# EAGLE board Mk4 Final Panel 8up 2x4 (EAGLE 9.0.1), part 20 of 23
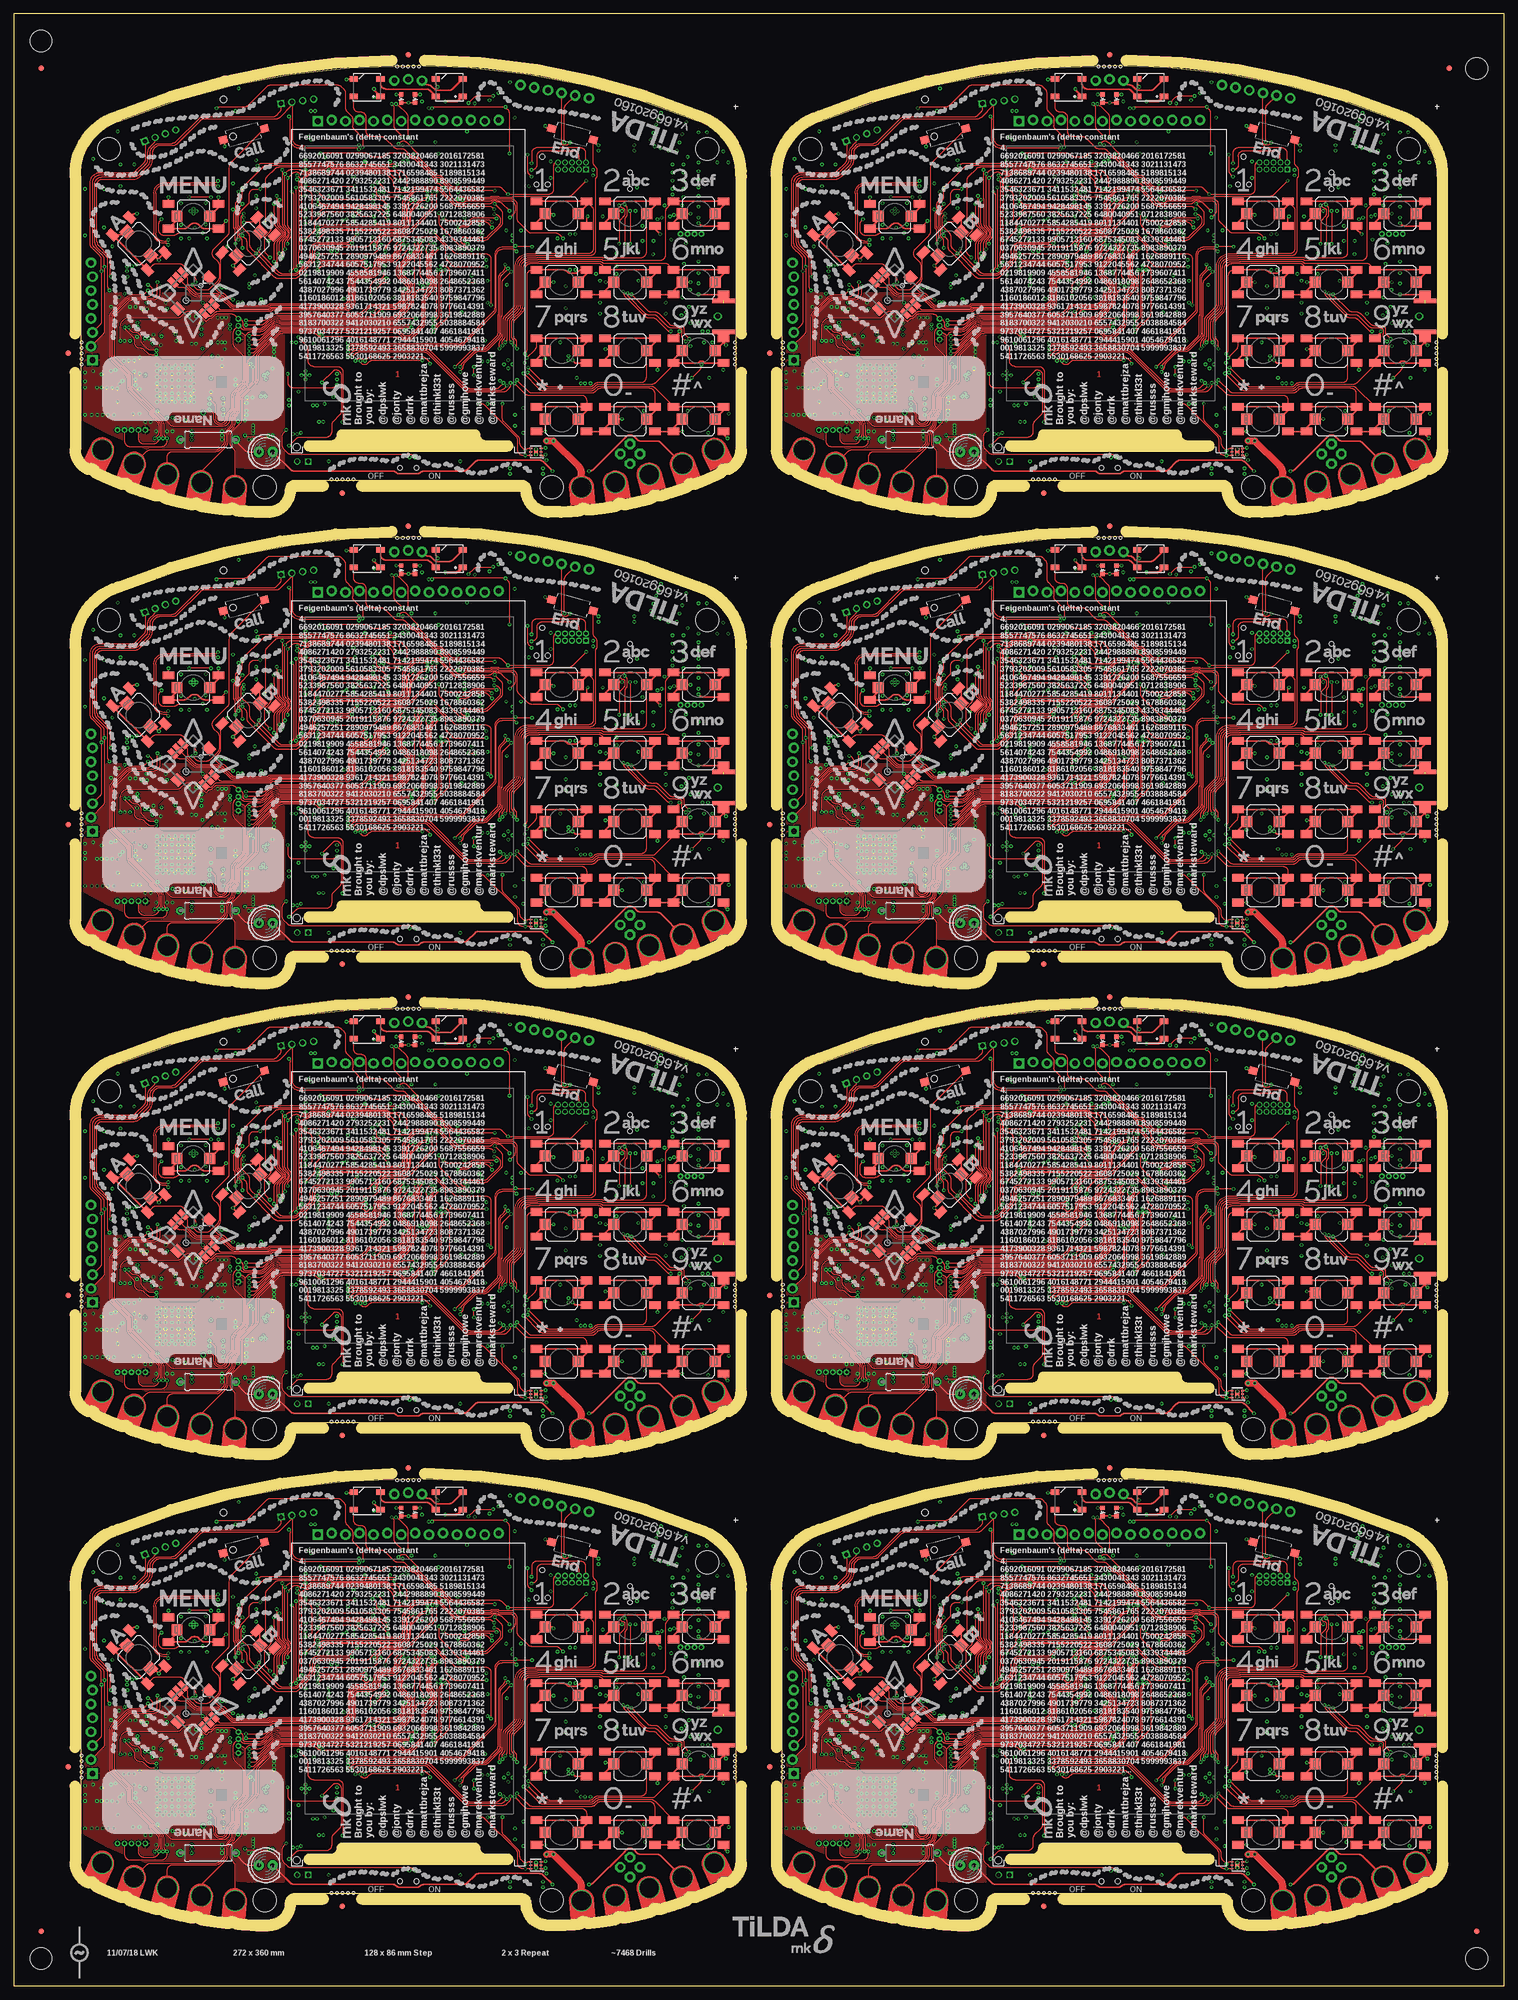
[diagram p0: board, top side]
## Tracks (layer width: path | path; a pad name or v marks a point on that pad's centre or on a via) (continued)
SSI2_CC_MISO1  (via drill 0.3) (continued)
  Top 0.15: v171,40.8 172.08,40.8 175.67,44.39 arc-45 176.9,44.9 200.24,44.9 arc-45 v200.6,44.75 | v206.75,55.24 206.53,55.01 arc-45 206.5,54.96 206.19,54.65 arc45 205.9,53.94 205.9,46.21 arc-45 205.61,45.51 204.9,44.8 v204.6,44.8
  Bottom 0.15: IC29.7 158.25,29 R149.1 158.59,28.75 arc-45 159.29,28.46 160.06,27.69 arc45 161.12,27.25 166.45,27.25 arc90 167.7,28.5 167.7,30.43 arc-45 168.07,31.32 169.49,32.74 arc45 170,33.98 170,39.39 arc-45 170.29,40.09 v171,40.8 | IC20.1 206.2,56.6 206.31,56.49 arc-45 206.6,55.79 206.6,55.6 arc45 v206.75,55.24 | v204.6,44.8 204.55,44.75 v200.6,44.75
SSI2_CC_MISO2  (via drill 0.3)
  Top 0.15: v43,126.8 44.08,126.8 47.67,130.39 arc-45 48.9,130.9 72.24,130.9 arc-45 v72.6,130.75 | v78.75,141.24 78.53,141.01 arc-45 78.5,140.96 78.19,140.65 arc45 77.9,139.94 77.9,132.21 arc-45 77.61,131.51 76.9,130.8 v76.6,130.8
  Bottom 0.15: IC47.7 30.25,115 R227.1 30.59,114.75 arc-45 31.29,114.46 32.06,113.69 arc45 33.12,113.25 38.45,113.25 arc90 39.7,114.5 39.7,116.43 arc-45 40.07,117.32 41.49,118.74 arc45 42,119.97 42,125.39 arc-45 42.29,126.09 v43,126.8 | IC38.1 78.2,142.6 78.31,142.49 arc-45 78.6,141.79 78.6,141.6 arc45 v78.75,141.24 | v76.6,130.8 76.55,130.75 v72.6,130.75
SSI2_CC_MISO3  (via drill 0.3)
  Top 0.15: v171,126.8 172.08,126.8 175.67,130.39 arc-45 176.9,130.9 200.24,130.9 arc-45 v200.6,130.75 | v206.75,141.24 206.53,141.01 arc-45 206.5,140.96 206.19,140.65 arc45 205.9,139.94 205.9,132.21 arc-45 205.61,131.51 204.9,130.8 v204.6,130.8
  Bottom 0.15: IC65.7 158.25,115 R305.1 158.59,114.75 arc-45 159.29,114.46 160.06,113.69 arc45 161.12,113.25 166.45,113.25 arc90 167.7,114.5 167.7,116.43 arc-45 168.07,117.32 169.49,118.74 arc45 170,119.97 170,125.39 arc-45 170.29,126.09 v171,126.8 | IC56.1 206.2,142.6 206.31,142.49 arc-45 206.6,141.79 206.6,141.6 arc45 v206.75,141.24 | v204.6,130.8 204.55,130.75 v200.6,130.75
SSI2_CC_MISO4  (via drill 0.3)
  Top 0.15: v43,212.8 44.08,212.8 47.67,216.39 arc-45 48.9,216.9 72.24,216.9 arc-45 v72.6,216.75 | v78.75,227.24 78.53,227.01 arc-45 78.5,226.96 78.19,226.65 arc45 77.9,225.94 77.9,218.21 arc-45 77.61,217.51 76.9,216.8 v76.6,216.8
  Bottom 0.15: IC83.7 30.25,201 R383.1 30.59,200.75 arc-45 31.29,200.46 32.06,199.69 arc45 33.12,199.25 38.45,199.25 arc90 39.7,200.5 39.7,202.43 arc-45 40.07,203.32 41.49,204.74 arc45 42,205.97 42,211.39 arc-45 42.29,212.09 v43,212.8 | IC74.1 78.2,228.6 78.31,228.49 arc-45 78.6,227.79 78.6,227.6 arc45 v78.75,227.24 | v76.6,216.8 76.55,216.75 v72.6,216.75
SSI2_CC_MISO5  (via drill 0.3)
  Top 0.15: v171,212.8 172.08,212.8 175.67,216.39 arc-45 176.9,216.9 200.24,216.9 arc-45 v200.6,216.75 | v206.75,227.24 206.53,227.01 arc-45 206.5,226.96 206.19,226.65 arc45 205.9,225.94 205.9,218.21 arc-45 205.61,217.51 204.9,216.8 v204.6,216.8
  Bottom 0.15: IC101.7 158.25,201 R461.1 158.59,200.75 arc-45 159.29,200.46 160.06,199.69 arc45 161.12,199.25 166.45,199.25 arc90 167.7,200.5 167.7,202.43 arc-45 168.07,203.32 169.49,204.74 arc45 170,205.97 170,211.39 arc-45 170.29,212.09 v171,212.8 | IC92.1 206.2,228.6 206.31,228.49 arc-45 206.6,227.79 206.6,227.6 arc45 v206.75,227.24 | v204.6,216.8 204.55,216.75 v200.6,216.75
SSI2_CC_MISO6  (via drill 0.3)
  Top 0.15: v43,298.8 44.08,298.8 47.67,302.39 arc-45 48.9,302.9 72.24,302.9 arc-45 v72.6,302.75 | v78.75,313.24 78.53,313.01 arc-45 78.5,312.96 78.19,312.65 arc45 77.9,311.94 77.9,304.21 arc-45 77.61,303.51 76.9,302.8 v76.6,302.8
  Bottom 0.15: IC119.7 30.25,287 R539.1 30.59,286.75 arc-45 31.29,286.46 32.06,285.69 arc45 33.12,285.25 38.45,285.25 arc90 39.7,286.5 39.7,288.43 arc-45 40.07,289.32 41.49,290.74 arc45 42,291.98 42,297.39 arc-45 42.29,298.09 v43,298.8 | IC110.1 78.2,314.6 78.31,314.49 arc-45 78.6,313.79 78.6,313.6 arc45 v78.75,313.24 | v76.6,302.8 76.55,302.75 v72.6,302.75
SSI2_CC_MISO7  (via drill 0.3)
  Top 0.15: v171,298.8 172.08,298.8 175.67,302.39 arc-45 176.9,302.9 200.24,302.9 arc-45 v200.6,302.75 | v206.75,313.24 206.53,313.01 arc-45 206.5,312.96 206.19,312.65 arc45 205.9,311.94 205.9,304.21 arc-45 205.61,303.51 204.9,302.8 v204.6,302.8
  Bottom 0.15: IC137.7 158.25,287 R617.1 158.59,286.75 arc-45 159.29,286.46 160.06,285.69 arc45 161.12,285.25 166.45,285.25 arc90 167.7,286.5 167.7,288.43 arc-45 168.07,289.32 169.49,290.74 arc45 170,291.98 170,297.39 arc-45 170.29,298.09 v171,298.8 | IC128.1 206.2,314.6 206.31,314.49 arc-45 206.6,313.79 206.6,313.6 arc45 v206.75,313.24 | v204.6,302.8 204.55,302.75 v200.6,302.75
SSI2_CC_MOSI  (via drill 0.3)
  Top 0.15: v43,41.6 44.45,41.6 47.47,44.61 arc-45 48.88,45.2 71.89,45.2 arc45 v72.59,45.49 v72.6,45.5 | v78,56 78.5,56 arc-90 79.5,55 79.5,47.31 arc-45 79.21,46.61 v76.6,44
  Bottom 0.15: IC15.6 30.75,29.91 arc45 31.04,29.21 32.23,28.02 arc45 33.12,27.65 36.75,27.65 36.78,27.62 38.4,27.62 arc90 39.4,28.62 39.4,30.45 arc-45 39.84,31.51 41.26,32.94 arc45 41.7,34 41.7,39.89 arc-45 41.99,40.59 v43,41.6 | IC1.2 77.8,56.48 arc45 v78,56 | v72.6,45.5 arc90 72,44.9 arc90 72.9,44 v76.6,44
SSI2_CC_MOSI1  (via drill 0.3)
  Top 0.15: v171,41.6 172.45,41.6 175.47,44.61 arc-45 176.88,45.2 199.89,45.2 arc45 v200.59,45.49 v200.6,45.5 | v206,56 206.5,56 arc-90 207.5,55 207.5,47.31 arc-45 207.21,46.61 v204.6,44
  Bottom 0.15: IC29.6 158.75,29.91 arc45 159.04,29.21 160.23,28.02 arc45 161.12,27.65 164.75,27.65 164.78,27.62 166.4,27.62 arc90 167.4,28.62 167.4,30.45 arc-45 167.84,31.51 169.26,32.94 arc45 169.7,34 169.7,39.89 arc-45 169.99,40.59 v171,41.6 | IC20.2 205.8,56.48 arc45 v206,56 | v200.6,45.5 arc90 200,44.9 arc90 200.9,44 v204.6,44
SSI2_CC_MOSI2  (via drill 0.3)
  Top 0.15: v43,127.6 44.45,127.6 47.47,130.61 arc-45 48.88,131.2 71.89,131.2 arc45 v72.59,131.49 v72.6,131.5 | v78,142 78.5,142 arc-90 79.5,141 79.5,133.31 arc-45 79.21,132.61 v76.6,130
  Bottom 0.15: IC47.6 30.75,115.91 arc45 31.04,115.21 32.23,114.02 arc45 33.12,113.65 36.75,113.65 36.78,113.62 38.4,113.62 arc90 39.4,114.62 39.4,116.45 arc-45 39.84,117.51 41.26,118.94 arc45 41.7,120 41.7,125.89 arc-45 41.99,126.59 v43,127.6 | IC38.2 77.8,142.48 arc45 v78,142 | v72.6,131.5 arc90 72,130.9 arc90 72.9,130 v76.6,130
SSI2_CC_MOSI3  (via drill 0.3)
  Top 0.15: v171,127.6 172.45,127.6 175.47,130.61 arc-45 176.88,131.2 199.89,131.2 arc45 v200.59,131.49 v200.6,131.5 | v206,142 206.5,142 arc-90 207.5,141 207.5,133.31 arc-45 207.21,132.61 v204.6,130
  Bottom 0.15: IC65.6 158.75,115.91 arc45 159.04,115.21 160.23,114.02 arc45 161.12,113.65 164.75,113.65 164.78,113.62 166.4,113.62 arc90 167.4,114.62 167.4,116.45 arc-45 167.84,117.51 169.26,118.94 arc45 169.7,120 169.7,125.89 arc-45 169.99,126.59 v171,127.6 | IC56.2 205.8,142.48 arc45 v206,142 | v200.6,131.5 arc90 200,130.9 arc90 200.9,130 v204.6,130
SSI2_CC_MOSI4  (via drill 0.3)
  Top 0.15: v43,213.6 44.45,213.6 47.47,216.61 arc-45 48.88,217.2 71.89,217.2 arc45 v72.59,217.49 v72.6,217.5 | v78,228 78.5,228 arc-90 79.5,227 79.5,219.31 arc-45 79.21,218.61 v76.6,216
  Bottom 0.15: IC83.6 30.75,201.91 arc45 31.04,201.21 32.23,200.02 arc45 33.12,199.65 36.75,199.65 36.78,199.62 38.4,199.62 arc90 39.4,200.62 39.4,202.45 arc-45 39.84,203.51 41.26,204.94 arc45 41.7,206 41.7,211.89 arc-45 41.99,212.59 v43,213.6 | IC74.2 77.8,228.48 arc45 v78,228 | v72.6,217.5 arc90 72,216.9 arc90 72.9,216 v76.6,216
SSI2_CC_MOSI5  (via drill 0.3)
  Top 0.15: v171,213.6 172.45,213.6 175.47,216.61 arc-45 176.88,217.2 199.89,217.2 arc45 v200.59,217.49 v200.6,217.5 | v206,228 206.5,228 arc-90 207.5,227 207.5,219.31 arc-45 207.21,218.61 v204.6,216
  Bottom 0.15: IC101.6 158.75,201.91 arc45 159.04,201.21 160.23,200.02 arc45 161.12,199.65 164.75,199.65 164.78,199.62 166.4,199.62 arc90 167.4,200.62 167.4,202.45 arc-45 167.84,203.51 169.26,204.94 arc45 169.7,206 169.7,211.89 arc-45 169.99,212.59 v171,213.6 | IC92.2 205.8,228.48 arc45 v206,228 | v200.6,217.5 arc90 200,216.9 arc90 200.9,216 v204.6,216
SSI2_CC_MOSI6  (via drill 0.3)
  Top 0.15: v43,299.6 44.45,299.6 47.47,302.61 arc-45 48.88,303.2 71.89,303.2 arc45 v72.59,303.49 v72.6,303.5 | v78,314 78.5,314 arc-90 79.5,313 79.5,305.31 arc-45 79.21,304.61 v76.6,302
  Bottom 0.15: IC119.6 30.75,287.91 arc45 31.04,287.21 32.23,286.02 arc45 33.12,285.65 36.75,285.65 36.78,285.62 38.4,285.62 arc90 39.4,286.62 39.4,288.45 arc-45 39.84,289.51 41.26,290.94 arc45 41.7,292 41.7,297.89 arc-45 41.99,298.59 v43,299.6 | IC110.2 77.8,314.48 arc45 v78,314 | v72.6,303.5 arc90 72,302.9 arc90 72.9,302 v76.6,302
SSI2_CC_MOSI7  (via drill 0.3)
  Top 0.15: v171,299.6 172.45,299.6 175.47,302.61 arc-45 176.88,303.2 199.89,303.2 arc45 v200.59,303.49 v200.6,303.5 | v206,314 206.5,314 arc-90 207.5,313 207.5,305.31 arc-45 207.21,304.61 v204.6,302
  Bottom 0.15: IC137.6 158.75,287.91 arc45 159.04,287.21 160.23,286.02 arc45 161.12,285.65 164.75,285.65 164.78,285.62 166.4,285.62 arc90 167.4,286.62 167.4,288.45 arc-45 167.84,289.51 169.26,290.94 arc45 169.7,292 169.7,297.89 arc-45 169.99,298.59 v171,299.6 | IC128.2 205.8,314.48 arc45 v206,314 | v200.6,303.5 arc90 200,302.9 arc90 200.9,302 v204.6,302
SSI3_CLK
  Bottom 0.15: IC6.6 81.33,54.5 77.35,54.5 arc-90 76.6,55.25 IC1.5
SSI3_CLK1
  Bottom 0.15: IC22.6 209.33,54.5 205.35,54.5 arc-90 204.6,55.25 IC20.5
SSI3_CLK2
  Bottom 0.15: IC40.6 81.33,140.5 77.35,140.5 arc-90 76.6,141.25 IC38.5
SSI3_CLK3
  Bottom 0.15: IC58.6 209.33,140.5 205.35,140.5 arc-90 204.6,141.25 IC56.5
SSI3_CLK4
  Bottom 0.15: IC76.6 81.33,226.5 77.35,226.5 arc-90 76.6,227.25 IC74.5
SSI3_CLK5
  Bottom 0.15: IC94.6 209.33,226.5 205.35,226.5 arc-90 204.6,227.25 IC92.5
SSI3_CLK6
  Bottom 0.15: IC112.6 81.33,312.5 77.35,312.5 arc-90 76.6,313.25 IC110.5
SSI3_CLK7
  Bottom 0.15: IC130.6 209.33,312.5 205.35,312.5 arc-90 204.6,313.25 IC128.5
SSI3_DAT0  (via drill 0.3)
  Top 0.15: v74.7,59.2 74.6,59.1 arc45 74.45,58.74 74.45,58.56 arc-45 74.3,58.2 arc45 74.2,57.95 74.2,54.41 arc45 74.49,53.71 74.51,53.69 arc-45 74.8,52.99 74.8,52.44 arc-45 v74.7,52.2
  Bottom 0.15: IC1.11 74.2,57.95 arc-45 74.3,58.2 arc45 74.45,58.56 74.45,58.74 arc-45 74.6,59.1 v74.7,59.2 | IC6.5 77.57,53.24 arc45 76.86,52.95 76.4,52.49 arc-45 75.7,52.2 v74.7,52.2
SSI3_DAT1  (via drill 0.3)
  Top 0.15: v86.3,55.8 80.67,55.8 arc-45 79.97,56.09 79.09,56.97 arc-45 78.8,57.67 78.8,59.09 arc45 78.51,59.79 77.39,60.91 arc45 76.69,61.2 70.01,61.2 arc45 69.31,60.91 68.09,59.69 arc45 67.8,58.99 v67.8,58.6
  Bottom 0.15: IC1.27 v67.8,58.6 | IC6.2 86.31,55.78 v86.3,55.8
SSI3_DAT2  (via drill 0.3)
  Top 0.15: v214.3,55.8 208.67,55.8 arc-45 207.97,56.09 207.09,56.97 arc-45 206.8,57.67 206.8,59.09 arc45 206.51,59.79 205.39,60.91 arc45 204.69,61.2 198.01,61.2 arc45 197.31,60.91 196.09,59.69 arc45 195.8,58.99 v195.8,58.6
  Bottom 0.15: IC20.27 v195.8,58.6 | IC22.2 214.31,55.78 v214.3,55.8
SSI3_DAT3  (via drill 0.3)
  Top 0.15: v202.7,59.2 202.6,59.1 arc45 202.45,58.74 202.45,58.56 arc-45 202.3,58.2 arc45 202.2,57.95 202.2,54.41 arc45 202.49,53.71 202.51,53.69 arc-45 202.8,52.99 202.8,52.44 arc-45 v202.7,52.2
  Bottom 0.15: IC20.11 202.2,57.95 arc-45 202.3,58.2 arc45 202.45,58.56 202.45,58.74 arc-45 202.6,59.1 v202.7,59.2 | IC22.5 205.57,53.24 arc45 204.86,52.95 204.4,52.49 arc-45 203.7,52.2 v202.7,52.2
SSI3_DAT4  (via drill 0.3)
  Top 0.15: v86.3,141.8 80.67,141.8 arc-45 79.97,142.09 79.09,142.97 arc-45 78.8,143.67 78.8,145.09 arc45 78.51,145.79 77.39,146.91 arc45 76.69,147.2 70.01,147.2 arc45 69.31,146.91 68.09,145.69 arc45 67.8,144.99 v67.8,144.6
  Bottom 0.15: IC38.27 v67.8,144.6 | IC40.2 86.31,141.78 v86.3,141.8
SSI3_DAT5  (via drill 0.3)
  Top 0.15: v74.7,145.2 74.6,145.1 arc45 74.45,144.74 74.45,144.56 arc-45 74.3,144.2 arc45 74.2,143.95 74.2,140.41 arc45 74.49,139.71 74.51,139.69 arc-45 74.8,138.99 74.8,138.44 arc-45 v74.7,138.2
  Bottom 0.15: IC38.11 74.2,143.95 arc-45 74.3,144.2 arc45 74.45,144.56 74.45,144.74 arc-45 74.6,145.1 v74.7,145.2 | IC40.5 77.57,139.25 arc45 76.86,138.95 76.4,138.49 arc-45 75.7,138.2 v74.7,138.2
SSI3_DAT6  (via drill 0.3)
  Top 0.15: v214.3,141.8 208.67,141.8 arc-45 207.97,142.09 207.09,142.97 arc-45 206.8,143.67 206.8,145.09 arc45 206.51,145.79 205.39,146.91 arc45 204.69,147.2 198.01,147.2 arc45 197.31,146.91 196.09,145.69 arc45 195.8,144.99 v195.8,144.6
  Bottom 0.15: IC56.27 v195.8,144.6 | IC58.2 214.31,141.78 v214.3,141.8
SSI3_DAT7  (via drill 0.3)
  Top 0.15: v202.7,145.2 202.6,145.1 arc45 202.45,144.74 202.45,144.56 arc-45 202.3,144.2 arc45 202.2,143.95 202.2,140.41 arc45 202.49,139.71 202.51,139.69 arc-45 202.8,138.99 202.8,138.44 arc-45 v202.7,138.2
  Bottom 0.15: IC56.11 202.2,143.95 arc-45 202.3,144.2 arc45 202.45,144.56 202.45,144.74 arc-45 202.6,145.1 v202.7,145.2 | IC58.5 205.57,139.25 arc45 204.86,138.95 204.4,138.49 arc-45 203.7,138.2 v202.7,138.2
SSI3_DAT8  (via drill 0.3)
  Top 0.15: v86.3,227.8 80.67,227.8 arc-45 79.97,228.09 79.09,228.97 arc-45 78.8,229.67 78.8,231.09 arc45 78.51,231.79 77.39,232.91 arc45 76.69,233.2 70.01,233.2 arc45 69.31,232.91 68.09,231.69 arc45 67.8,230.99 v67.8,230.6
  Bottom 0.15: IC74.27 v67.8,230.6 | IC76.2 86.31,227.78 v86.3,227.8
SSI3_DAT9  (via drill 0.3)
  Top 0.15: v74.7,231.2 74.6,231.1 arc45 74.45,230.74 74.45,230.56 arc-45 74.3,230.2 arc45 74.2,229.95 74.2,226.41 arc45 74.49,225.71 74.51,225.69 arc-45 74.8,224.99 74.8,224.44 arc-45 v74.7,224.2
  Bottom 0.15: IC74.11 74.2,229.95 arc-45 74.3,230.2 arc45 74.45,230.56 74.45,230.74 arc-45 74.6,231.1 v74.7,231.2 | IC76.5 77.57,225.25 arc45 76.86,224.95 76.4,224.49 arc-45 75.7,224.2 v74.7,224.2
SSI3_DAT10  (via drill 0.3)
  Top 0.15: v214.3,227.8 208.67,227.8 arc-45 207.97,228.09 207.09,228.97 arc-45 206.8,229.67 206.8,231.09 arc45 206.51,231.79 205.39,232.91 arc45 204.69,233.2 198.01,233.2 arc45 197.31,232.91 196.09,231.69 arc45 195.8,230.99 v195.8,230.6
  Bottom 0.15: IC92.27 v195.8,230.6 | IC94.2 214.31,227.78 v214.3,227.8
SSI3_DAT11  (via drill 0.3)
  Top 0.15: v202.7,231.2 202.6,231.1 arc45 202.45,230.74 202.45,230.56 arc-45 202.3,230.2 arc45 202.2,229.95 202.2,226.41 arc45 202.49,225.71 202.51,225.69 arc-45 202.8,224.99 202.8,224.44 arc-45 v202.7,224.2
  Bottom 0.15: IC92.11 202.2,229.95 arc-45 202.3,230.2 arc45 202.45,230.56 202.45,230.74 arc-45 202.6,231.1 v202.7,231.2 | IC94.5 205.57,225.25 arc45 204.86,224.95 204.4,224.49 arc-45 203.7,224.2 v202.7,224.2
SSI3_DAT12  (via drill 0.3)
  Top 0.15: v86.3,313.8 80.67,313.8 arc-45 79.97,314.09 79.09,314.96 arc-45 78.8,315.67 78.8,317.09 arc45 78.51,317.79 77.39,318.91 arc45 76.69,319.2 70.01,319.2 arc45 69.31,318.91 68.09,317.69 arc45 67.8,316.99 v67.8,316.6
  Bottom 0.15: IC110.27 v67.8,316.6 | IC112.2 86.31,313.79 v86.3,313.8
SSI3_DAT13  (via drill 0.3)
  Top 0.15: v74.7,317.2 74.6,317.1 arc45 74.45,316.74 74.45,316.56 arc-45 74.3,316.2 arc45 74.2,315.95 74.2,312.41 arc45 74.49,311.71 74.51,311.69 arc-45 74.8,310.99 74.8,310.44 arc-45 v74.7,310.2
  Bottom 0.15: IC110.11 74.2,315.95 arc-45 74.3,316.2 arc45 74.45,316.56 74.45,316.74 arc-45 74.6,317.1 v74.7,317.2 | IC112.5 77.57,311.25 arc45 76.86,310.95 76.4,310.49 arc-45 75.7,310.2 v74.7,310.2
SSI3_DAT14  (via drill 0.3)
  Top 0.15: v214.3,313.8 208.67,313.8 arc-45 207.97,314.09 207.09,314.96 arc-45 206.8,315.67 206.8,317.09 arc45 206.51,317.79 205.39,318.91 arc45 204.69,319.2 198.01,319.2 arc45 197.31,318.91 196.09,317.69 arc45 195.8,316.99 v195.8,316.6
  Bottom 0.15: IC128.27 v195.8,316.6 | IC130.2 214.31,313.79 v214.3,313.8
SSI3_DAT15  (via drill 0.3)
  Top 0.15: v202.7,317.2 202.6,317.1 arc45 202.45,316.74 202.45,316.56 arc-45 202.3,316.2 arc45 202.2,315.95 202.2,312.41 arc45 202.49,311.71 202.51,311.69 arc-45 202.8,310.99 202.8,310.44 arc-45 v202.7,310.2
  Bottom 0.15: IC128.11 202.2,315.95 arc-45 202.3,316.2 arc45 202.45,316.56 202.45,316.74 arc-45 202.6,317.1 v202.7,317.2 | IC130.5 205.57,311.25 arc45 204.86,310.95 204.4,310.49 arc-45 203.7,310.2 v202.7,310.2
SSI3_FSS  (via drill 0.3)
  3V3@2 0.15: v83.6,54.2 83.6,54.6 83.6,54.7 85.95,57.05 v86.25,57.05
  Bottom 0.15: IC1.6 76.2,54.9 arc90 77.2,53.9 82.49,53.9 arc45 82.85,54.05 82.85,54.05 arc-45 83.21,54.2 v83.6,54.2 | v86.25,57.05 IC6.1
SSI3_FSS1  (via drill 0.3)
  3V3@2 0.15: v211.6,54.2 211.6,54.7 213.96,57.05 v214.25,57.05
  Bottom 0.15: IC20.6 204.2,54.9 arc90 205.2,53.9 210.49,53.9 arc45 210.85,54.05 210.85,54.05 arc-45 211.21,54.2 v211.6,54.2 | v214.25,57.05 IC22.1
SSI3_FSS2  (via drill 0.3)
  3V3@2 0.15: v83.6,140.2 83.6,140.7 85.95,143.06 v86.25,143.06
  Bottom 0.15: IC38.6 76.2,140.9 arc90 77.2,139.9 82.49,139.9 arc45 82.85,140.05 82.85,140.05 arc-45 83.21,140.2 v83.6,140.2 | v86.25,143.06 IC40.1
SSI3_FSS3  (via drill 0.3)
  3V3@2 0.15: v211.6,140.2 211.6,140.7 213.96,143.06 v214.25,143.06
  Bottom 0.15: IC56.6 204.2,140.9 arc90 205.2,139.9 210.49,139.9 arc45 210.85,140.05 210.85,140.05 arc-45 211.21,140.2 v211.6,140.2 | v214.25,143.06 IC58.1
SSI3_FSS4  (via drill 0.3)
  3V3@2 0.15: v83.6,226.2 83.6,226.7 85.95,229.06 v86.25,229.06
  Bottom 0.15: IC74.6 76.2,226.9 arc90 77.2,225.9 82.49,225.9 arc45 82.85,226.05 82.85,226.05 arc-45 83.21,226.2 v83.6,226.2 | v86.25,229.06 IC76.1
SSI3_FSS5  (via drill 0.3)
  3V3@2 0.15: v211.6,226.2 211.6,226.7 213.96,229.06 v214.25,229.06
  Bottom 0.15: IC92.6 204.2,226.9 arc90 205.2,225.9 210.49,225.9 arc45 210.85,226.05 210.85,226.05 arc-45 211.21,226.2 v211.6,226.2 | v214.25,229.06 IC94.1
SSI3_FSS6  (via drill 0.3)
  3V3@2 0.15: v83.6,312.2 83.6,312.7 85.95,315.06 v86.25,315.06
  Bottom 0.15: IC110.6 76.2,312.9 arc90 77.2,311.9 82.49,311.9 arc45 82.85,312.05 82.85,312.05 arc-45 83.21,312.2 v83.6,312.2 | v86.25,315.06 IC112.1
SSI3_FSS7  (via drill 0.3)
  3V3@2 0.15: v211.6,312.2 211.6,312.7 213.96,315.06 v214.25,315.06
  Bottom 0.15: IC128.6 204.2,312.9 arc90 205.2,311.9 210.49,311.9 arc45 210.85,312.05 210.85,312.05 arc-45 211.21,312.2 v211.6,312.2 | v214.25,315.06 IC130.1
SW
  Bottom 0.25: IC9.6 45.1,26.35
  Bottom 0.5: 45.1,26.35 L4.1
SW1
  Bottom 0.25: IC33.6 173.1,26.35
  Bottom 0.5: 173.1,26.35 L11.1
SW2
  Bottom 0.25: IC51.6 45.1,112.35
  Bottom 0.5: 45.1,112.35 L20.1
SW3
  Bottom 0.25: IC69.6 173.1,112.35
  Bottom 0.5: 173.1,112.35 L29.1
SW4
  Bottom 0.25: IC87.6 45.1,198.35
  Bottom 0.5: 45.1,198.35 L38.1
SW5
  Bottom 0.25: IC105.6 173.1,198.35
  Bottom 0.5: 173.1,198.35 L47.1
SW6
  Bottom 0.25: IC123.6 45.1,284.35
  Bottom 0.5: 45.1,284.35 L56.1
SW7
  Bottom 0.25: IC141.6 173.1,284.35
  Bottom 0.5: 173.1,284.35 L65.1
SWCLK  (via drill 0.3)
  Top 0.2: J3.4 103.17,76 arc90 102.17,77 96.5,77 arc90 95.5,76 95.5,74.45 arc-90 94.55,73.5 v94.5,73.45
  Bottom 0.2: IC1.100 82.59,70 arc45 83.29,70.29 84.21,71.21 arc-45 84.91,71.5 90.69,71.5 arc45 91.39,71.79 92.76,73.16 arc-45 93.46,73.45 v94.5,73.45 94.59,73.36 JP4.4
SWCLK1  (via drill 0.3)
  Top 0.2: J13.4 231.17,76 arc90 230.17,77 224.5,77 arc90 223.5,76 223.5,74.45 arc-90 222.55,73.5 v222.5,73.45
  Bottom 0.2: IC20.100 210.59,70 arc45 211.29,70.29 212.21,71.21 arc-45 212.91,71.5 218.69,71.5 arc45 219.39,71.79 220.76,73.16 arc-45 221.46,73.45 v222.5,73.45 222.59,73.36 JP10.4
SWCLK2  (via drill 0.3)
  Top 0.2: J23.4 103.17,162 arc90 102.17,163 96.5,163 arc90 95.5,162 95.5,160.45 arc-90 94.55,159.5 v94.5,159.45
  Bottom 0.2: IC38.100 82.59,156 arc45 83.29,156.29 84.21,157.21 arc-45 84.91,157.5 90.69,157.5 arc45 91.39,157.79 92.76,159.16 arc-45 93.46,159.45 v94.5,159.45 94.59,159.36 JP19.4
SWCLK3  (via drill 0.3)
  Top 0.2: J33.4 231.17,162 arc90 230.17,163 224.5,163 arc90 223.5,162 223.5,160.45 arc-90 222.55,159.5 v222.5,159.45
  Bottom 0.2: IC56.100 210.59,156 arc45 211.29,156.29 212.21,157.21 arc-45 212.91,157.5 218.69,157.5 arc45 219.39,157.79 220.76,159.16 arc-45 221.46,159.45 v222.5,159.45 222.59,159.36 JP28.4
SWCLK4  (via drill 0.3)
  Top 0.2: J43.4 103.17,248 arc90 102.17,249 96.5,249 arc90 95.5,248 95.5,246.45 arc-90 94.55,245.5 v94.5,245.45
  Bottom 0.2: IC74.100 82.59,242 arc45 83.29,242.29 84.21,243.21 arc-45 84.91,243.5 90.69,243.5 arc45 91.39,243.79 92.76,245.16 arc-45 93.46,245.45 v94.5,245.45 94.59,245.36 JP37.4
SWCLK5  (via drill 0.3)
  Top 0.2: J53.4 231.17,248 arc90 230.17,249 224.5,249 arc90 223.5,248 223.5,246.45 arc-90 222.55,245.5 v222.5,245.45
  Bottom 0.2: IC92.100 210.59,242 arc45 211.29,242.29 212.21,243.21 arc-45 212.91,243.5 218.69,243.5 arc45 219.39,243.79 220.76,245.16 arc-45 221.46,245.45 v222.5,245.45 222.59,245.36 JP46.4
SWCLK6  (via drill 0.3)
  Top 0.2: J63.4 103.17,334 arc90 102.17,335 96.5,335 arc90 95.5,334 95.5,332.45 arc-90 94.55,331.5 v94.5,331.45
  Bottom 0.2: IC110.100 82.59,328 arc45 83.29,328.29 84.21,329.21 arc-45 84.91,329.5 90.69,329.5 arc45 91.39,329.79 92.76,331.16 arc-45 93.46,331.45 v94.5,331.45 94.59,331.36 JP55.4
SWCLK7  (via drill 0.3)
  Top 0.2: J73.4 231.17,334 arc90 230.17,335 224.5,335 arc90 223.5,334 223.5,332.45 arc-90 222.55,331.5 v222.5,331.45
  Bottom 0.2: IC128.100 210.59,328 arc45 211.29,328.29 212.21,329.21 arc-45 212.91,329.5 218.69,329.5 arc45 219.39,329.79 220.76,331.16 arc-45 221.46,331.45 v222.5,331.45 222.59,331.36 JP64.4
SWDIO  (via drill 0.3)
  Top 0.2: J3.2 104.44,76.5 arc90 103.44,77.5 95.5,77.5 arc90 94.5,76.5 v94.5,74.7
  Bottom 0.2: IC1.99 82.49,70.4 arc45 83.19,70.69 84.06,71.56 arc-45 84.76,71.85 90.44,71.85 arc45 91.14,72.14 93.41,74.41 arc-45 94.11,74.7 v94.5,74.7 94.57,74.63 JP4.2
SWDIO1  (via drill 0.3)
  Top 0.2: J13.2 232.44,76.5 arc90 231.44,77.5 223.5,77.5 arc90 222.5,76.5 v222.5,74.7
  Bottom 0.2: IC20.99 210.49,70.4 arc45 211.19,70.69 212.06,71.56 arc-45 212.76,71.85 218.44,71.85 arc45 219.14,72.14 221.41,74.41 arc-45 222.11,74.7 v222.5,74.7 222.57,74.63 JP10.2
SWDIO2  (via drill 0.3)
  Top 0.2: J23.2 104.44,162.5 arc90 103.44,163.5 95.5,163.5 arc90 94.5,162.5 v94.5,160.7
  Bottom 0.2: IC38.99 82.49,156.4 arc45 83.19,156.69 84.06,157.56 arc-45 84.76,157.85 90.44,157.85 arc45 91.14,158.14 93.41,160.41 arc-45 94.11,160.7 v94.5,160.7 94.57,160.63 JP19.2
SWDIO3  (via drill 0.3)
  Top 0.2: J33.2 232.44,162.5 arc90 231.44,163.5 223.5,163.5 arc90 222.5,162.5 v222.5,160.7
  Bottom 0.2: IC56.99 210.49,156.4 arc45 211.19,156.69 212.06,157.56 arc-45 212.76,157.85 218.44,157.85 arc45 219.14,158.14 221.41,160.41 arc-45 222.11,160.7 v222.5,160.7 222.57,160.63 JP28.2
SWDIO4  (via drill 0.3)
  Top 0.2: J43.2 104.44,248.5 arc90 103.44,249.5 95.5,249.5 arc90 94.5,248.5 v94.5,246.7
  Bottom 0.2: IC74.99 82.49,242.4 arc45 83.19,242.69 84.06,243.56 arc-45 84.76,243.85 90.44,243.85 arc45 91.14,244.14 93.41,246.41 arc-45 94.11,246.7 v94.5,246.7 94.57,246.63 JP37.2
SWDIO5  (via drill 0.3)
  Top 0.2: J53.2 232.44,248.5 arc90 231.44,249.5 223.5,249.5 arc90 222.5,248.5 v222.5,246.7
  Bottom 0.2: IC92.99 210.49,242.4 arc45 211.19,242.69 212.06,243.56 arc-45 212.76,243.85 218.44,243.85 arc45 219.14,244.14 221.41,246.41 arc-45 222.11,246.7 v222.5,246.7 222.57,246.63 JP46.2
SWDIO6  (via drill 0.3)
  Top 0.2: J63.2 104.44,334.5 arc90 103.44,335.5 95.5,335.5 arc90 94.5,334.5 v94.5,332.7
  Bottom 0.2: IC110.99 82.49,328.4 arc45 83.19,328.69 84.06,329.56 arc-45 84.76,329.85 90.44,329.85 arc45 91.14,330.14 93.41,332.41 arc-45 94.11,332.7 v94.5,332.7 94.57,332.63 JP55.2
SWDIO7  (via drill 0.3)
  Top 0.2: J73.2 232.44,334.5 arc90 231.44,335.5 223.5,335.5 arc90 222.5,334.5 v222.5,332.7
  Bottom 0.2: IC128.99 210.49,328.4 arc45 211.19,328.69 212.06,329.56 arc-45 212.76,329.85 218.44,329.85 arc45 219.14,330.14 221.41,332.41 arc-45 222.11,332.7 v222.5,332.7 222.57,332.63 JP64.2